# Altium PCB CM4-Main.PcbDoc
Units mil, origin at the board's own origin, x right, y up, seen from the top; angles counter-clockwise.
Board outline 2204.72 x 3346.46 mil, 6 copper layers (Top, GND1, Power, Signal, GND2, Bottom), stack 60.827 mil thick; 64 components, 145 nets, 578 pads, 2 vias.
Unrouted connection lines stored in the file: 306.
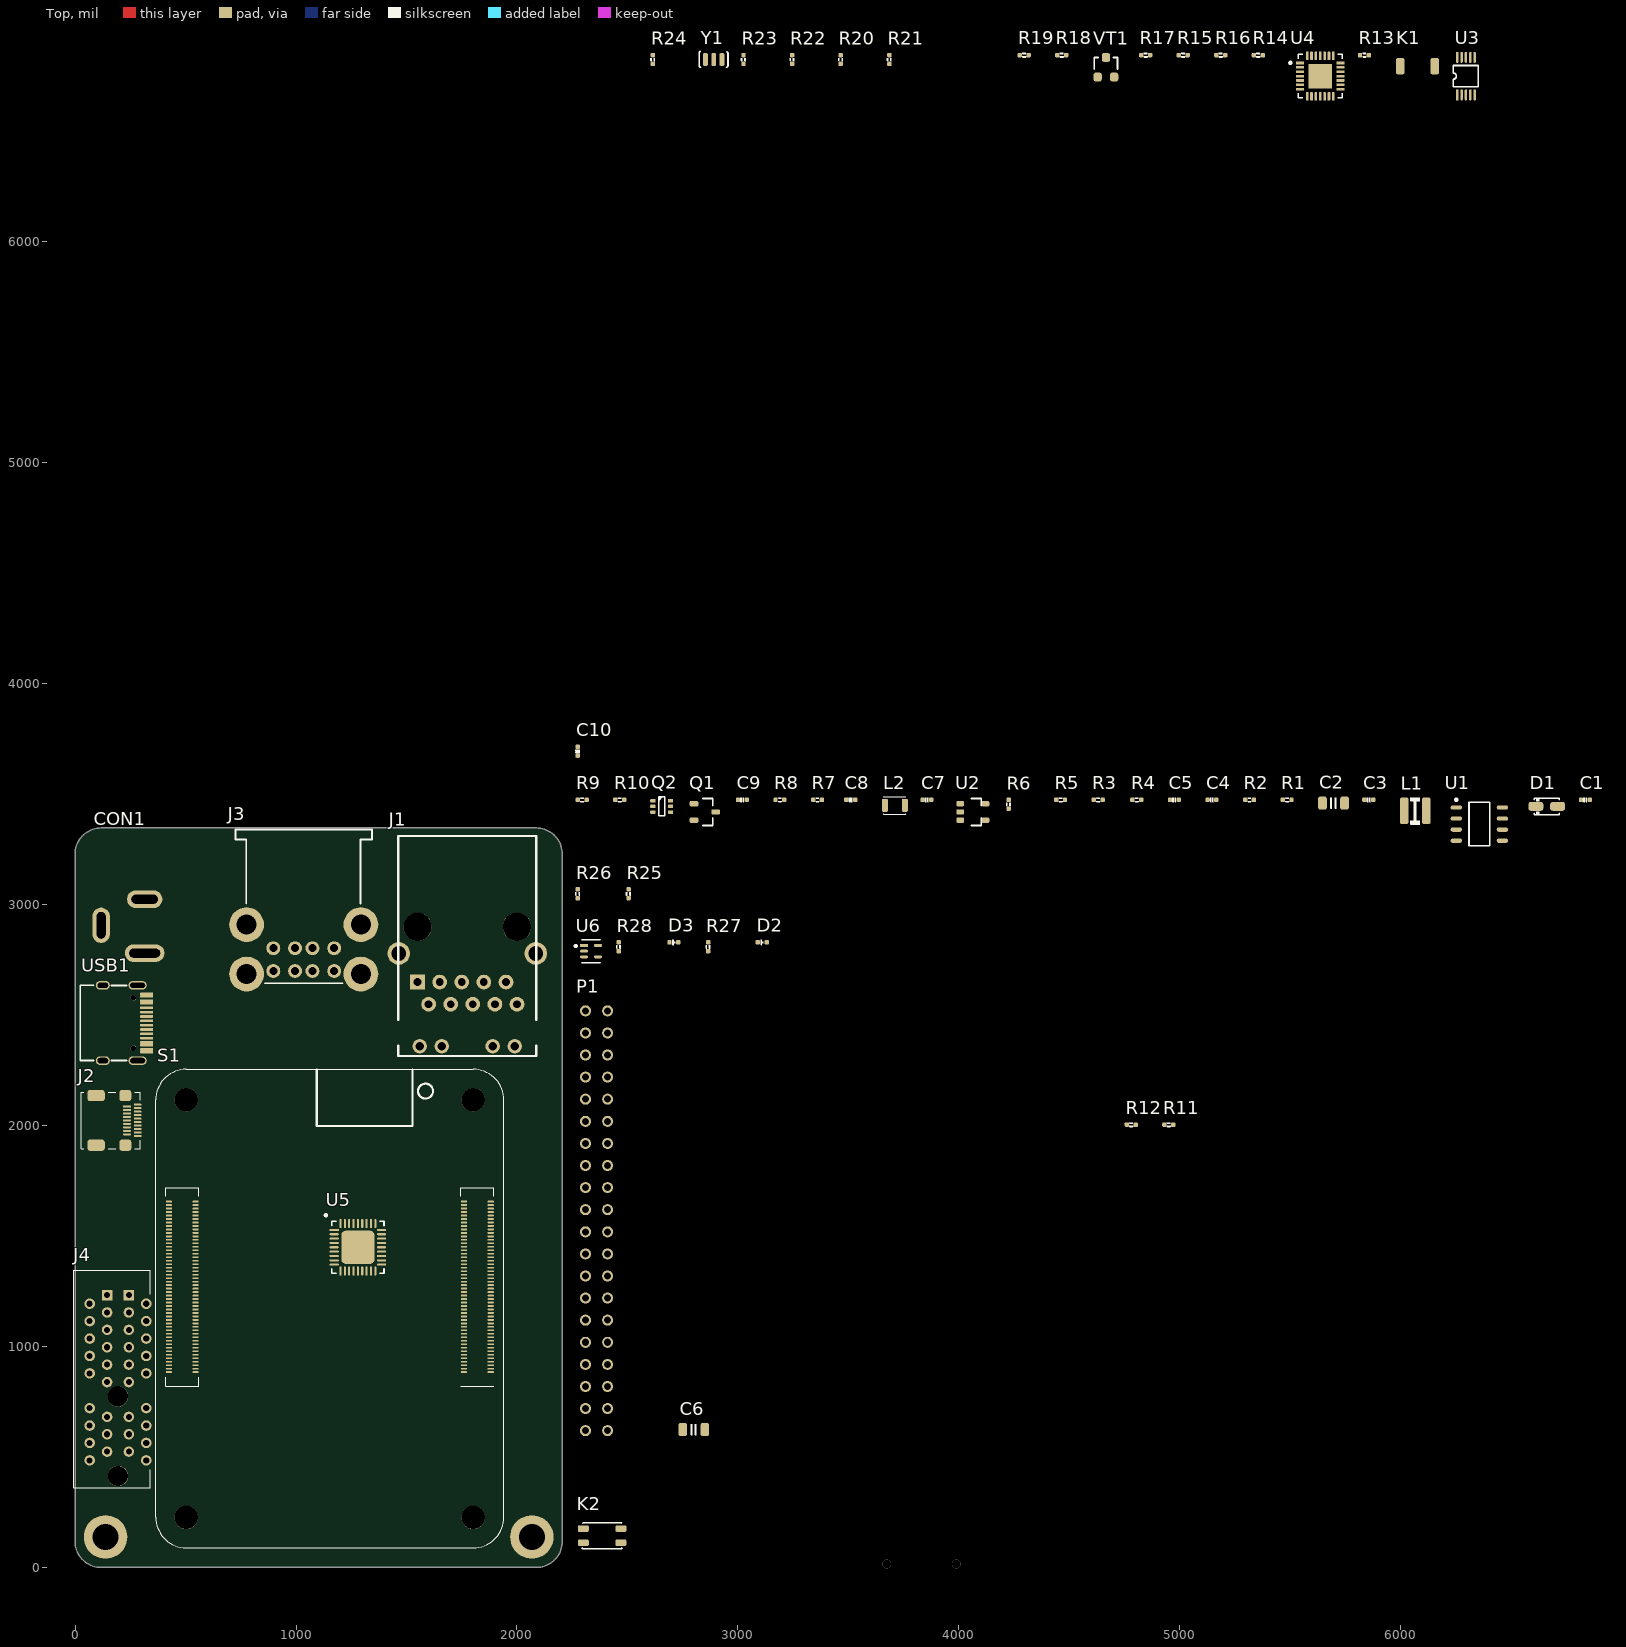
[diagram p0: Top view]
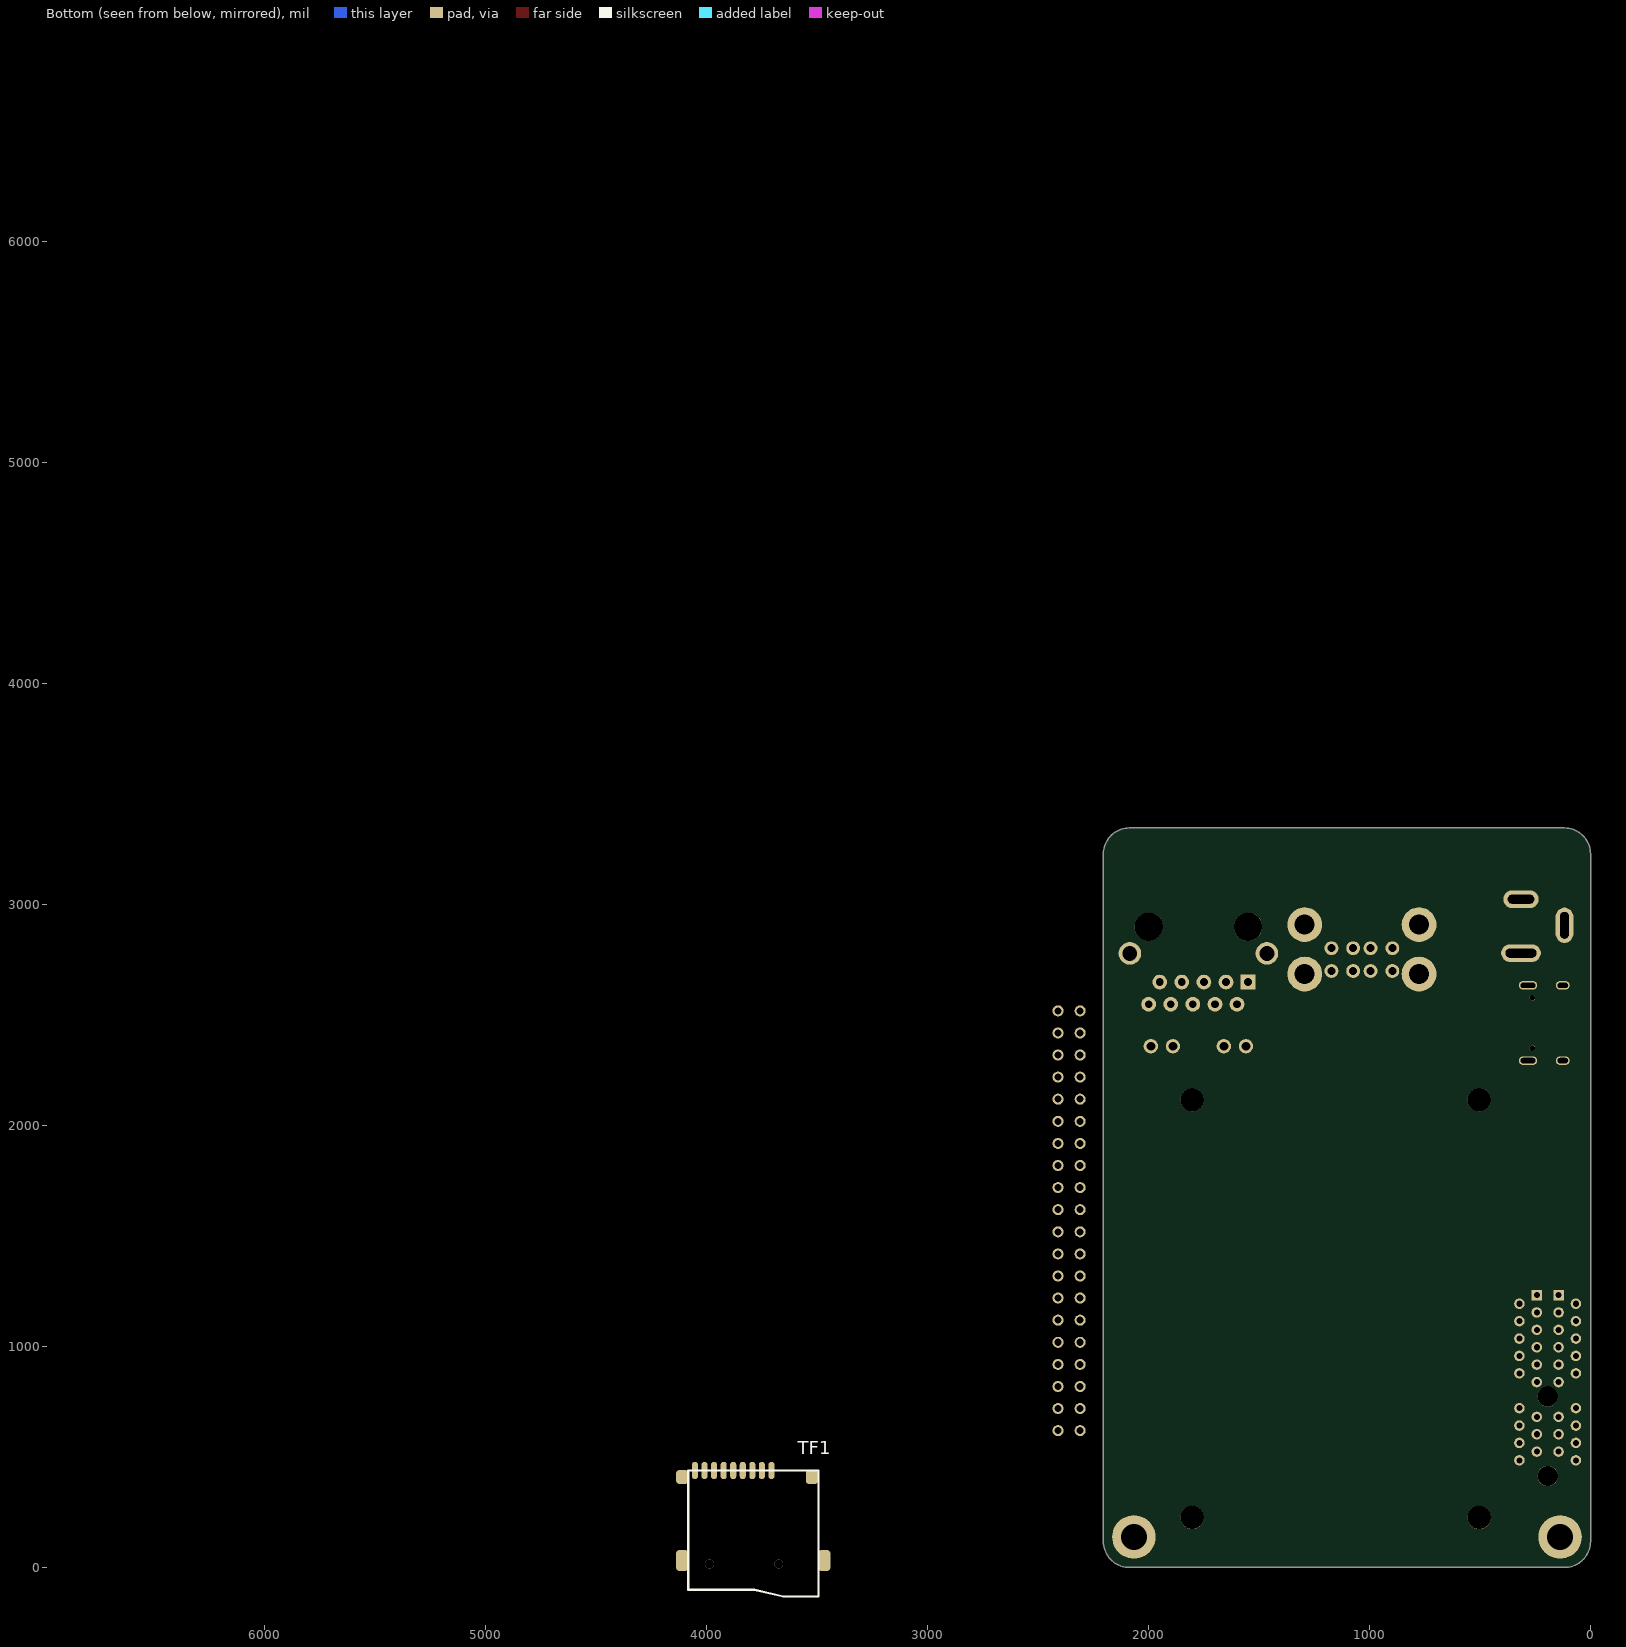
[diagram p1: Bottom view, seen from below]
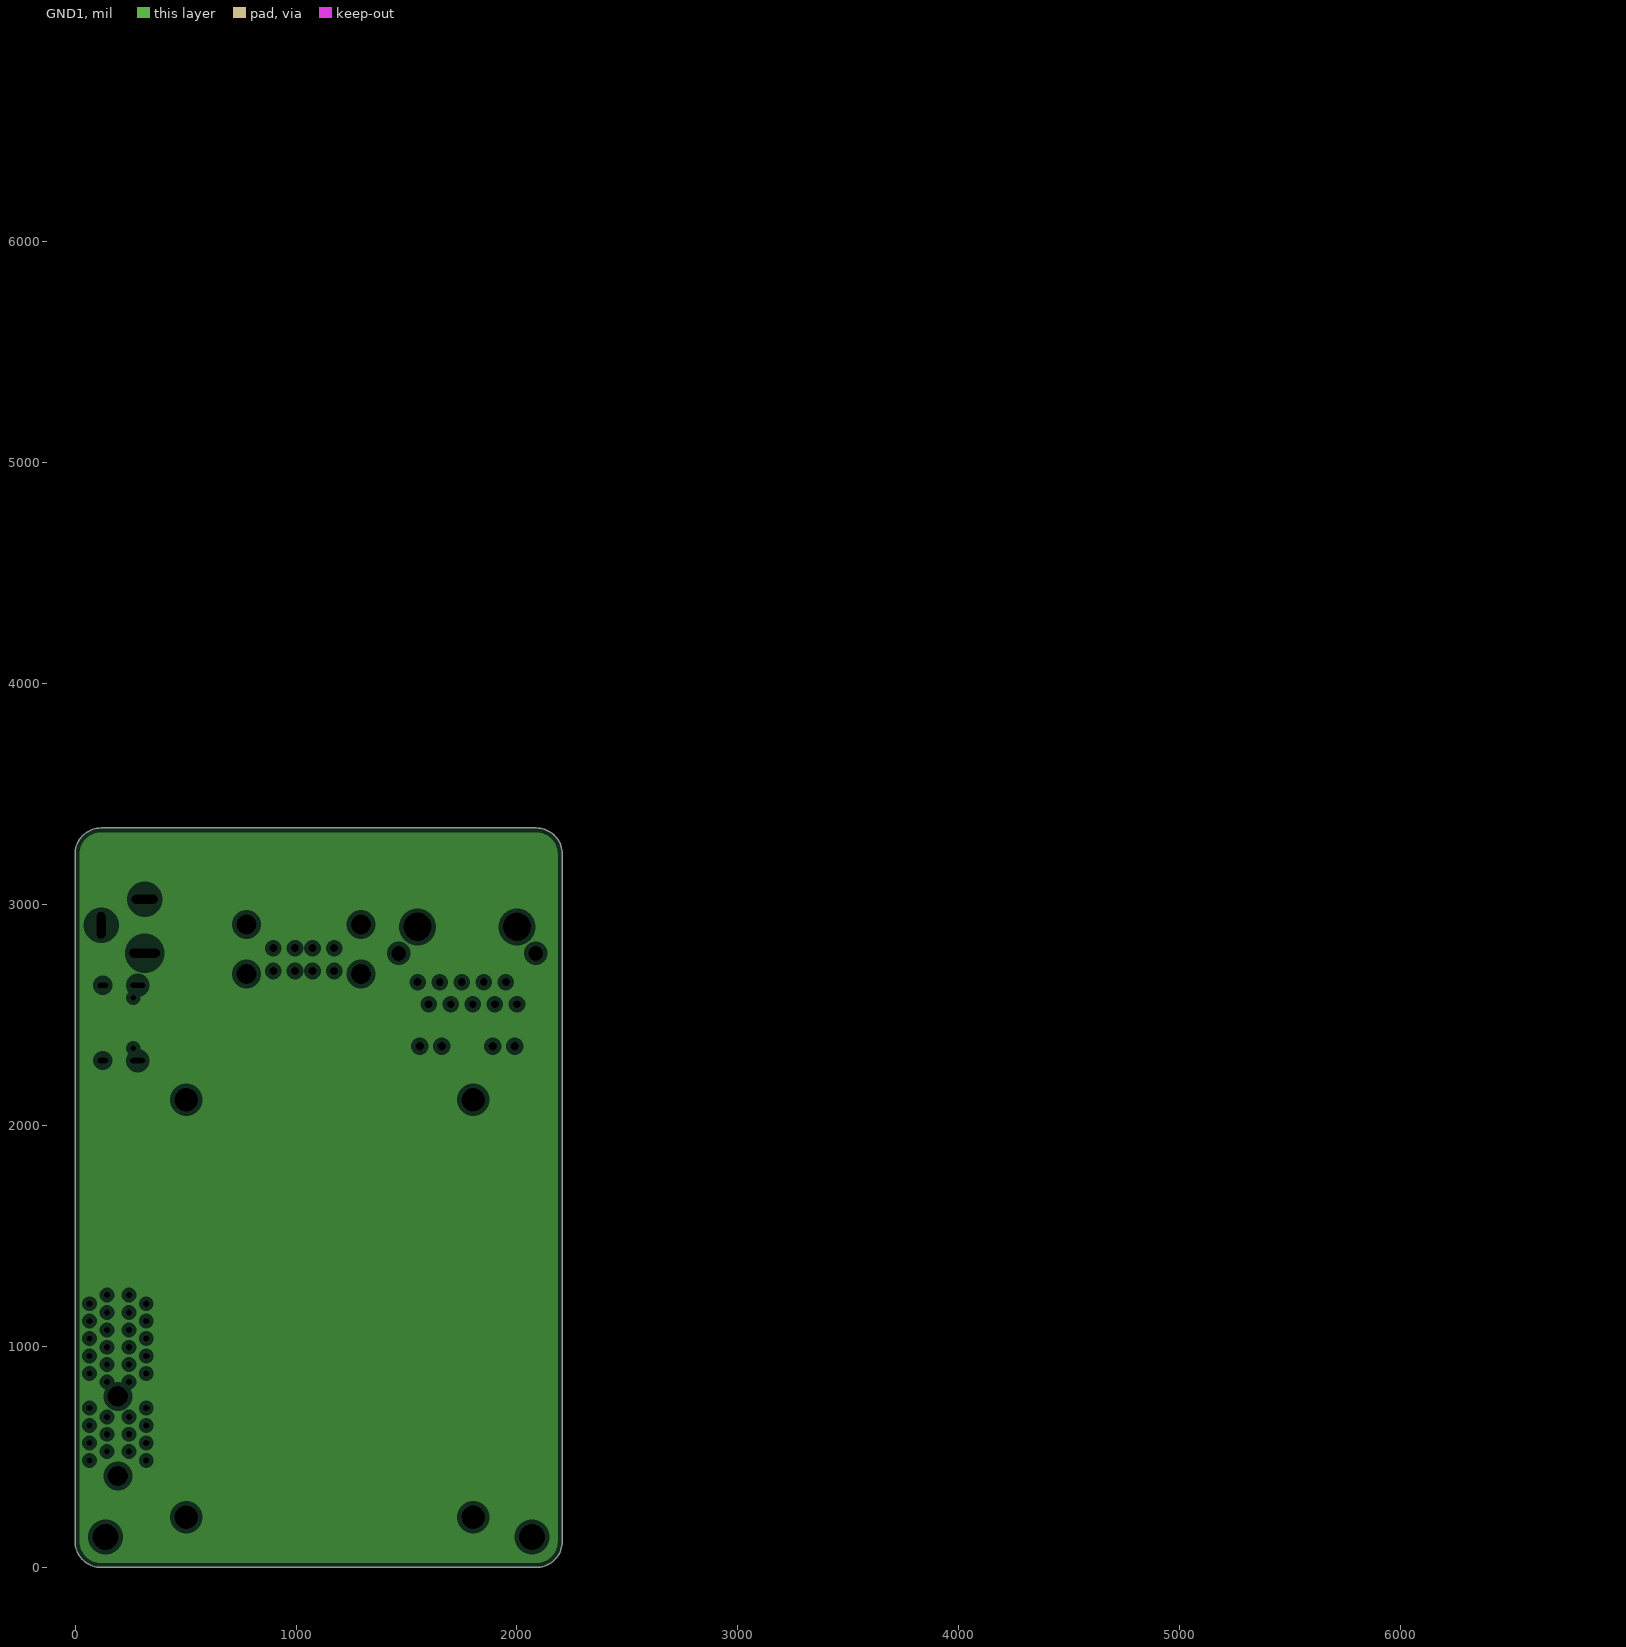
[diagram p2: GND1, clearances drawn from the general rule]
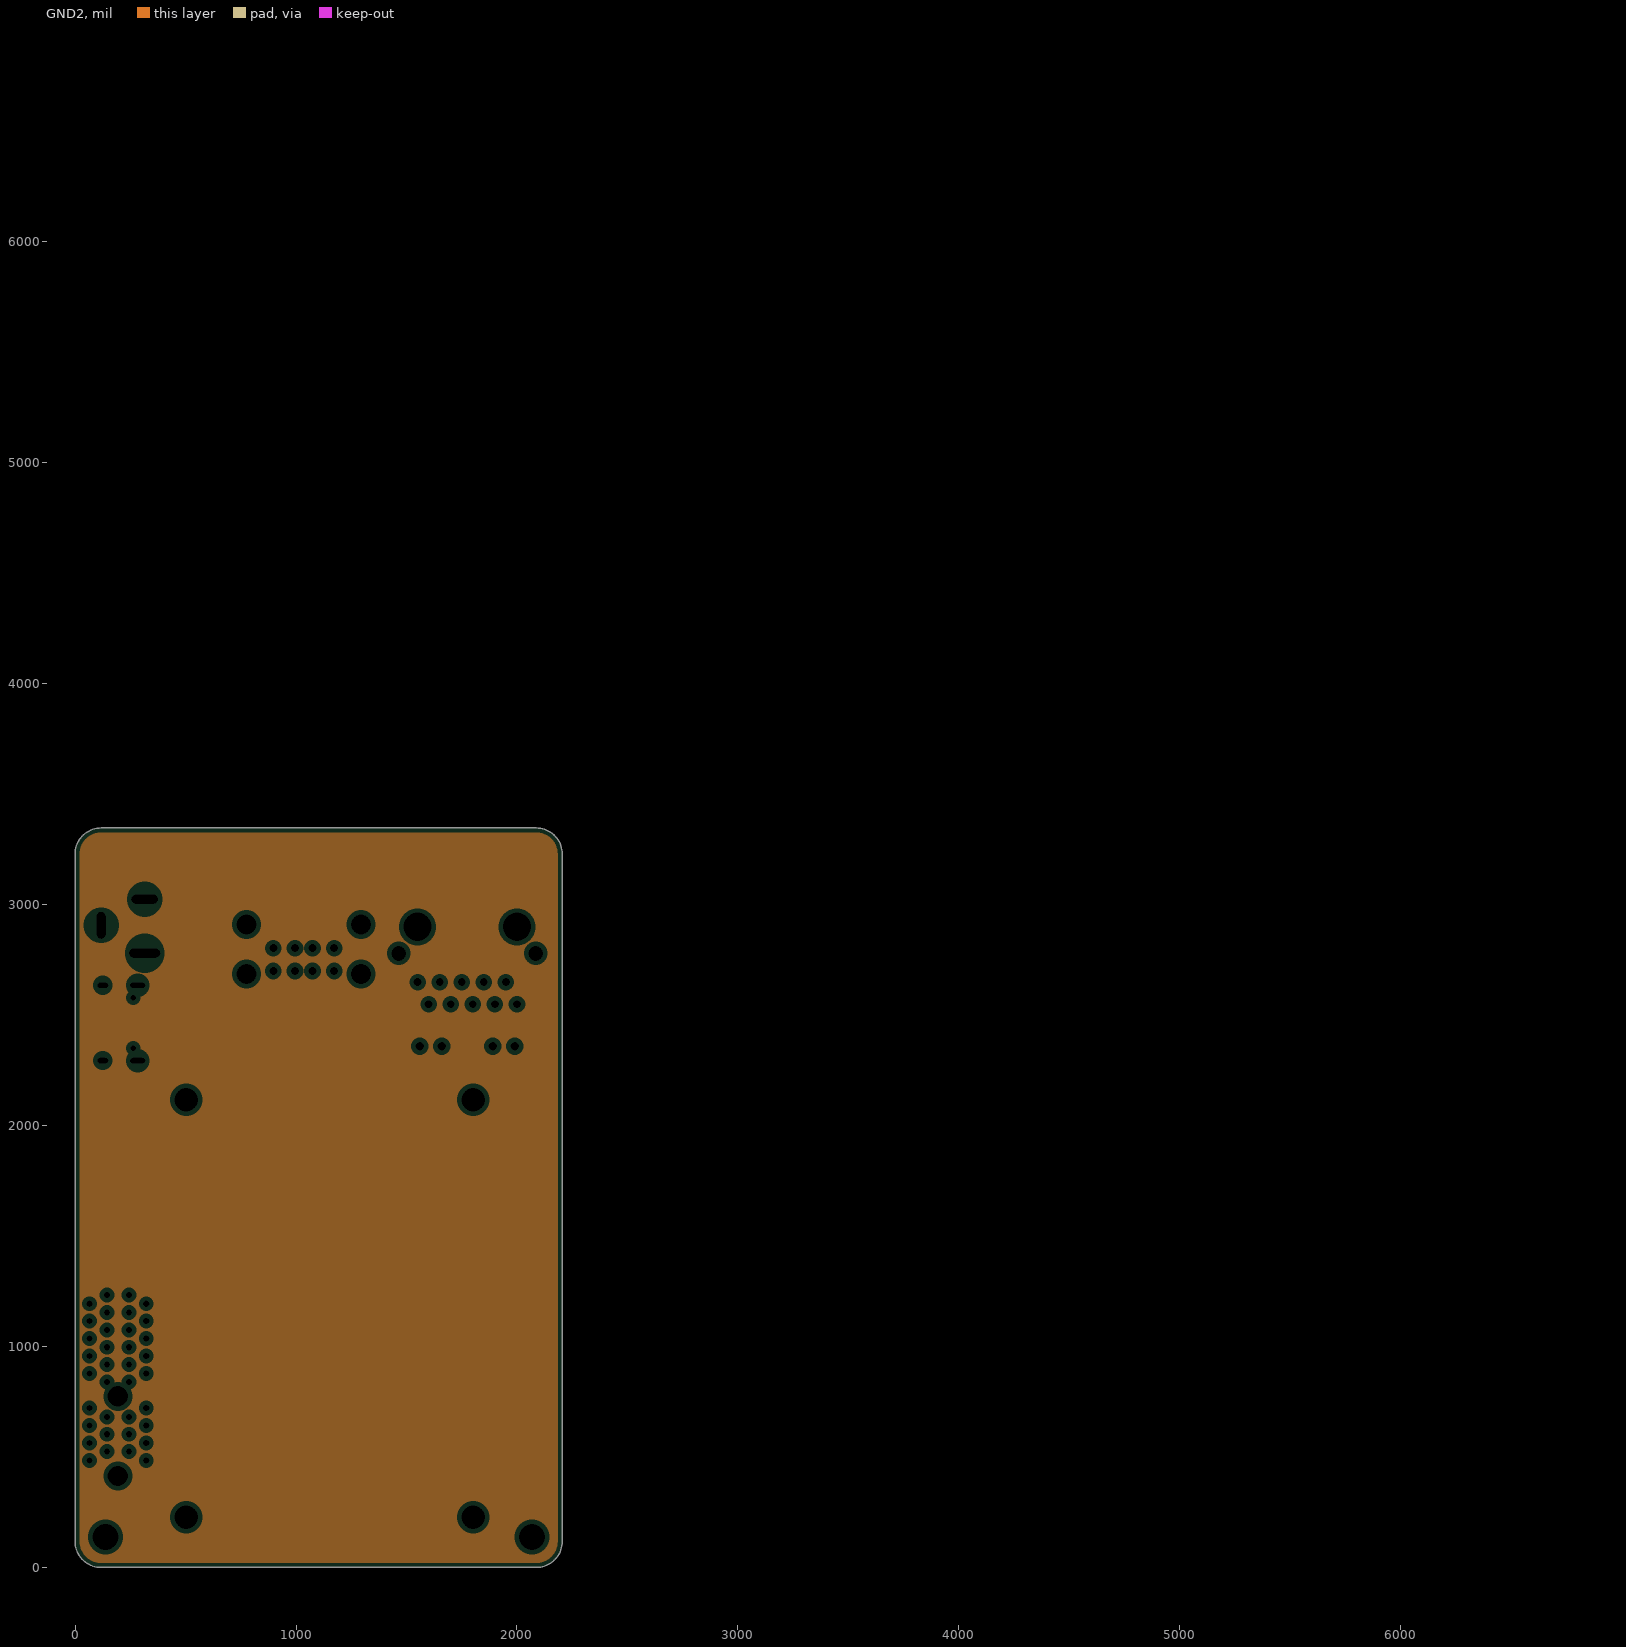
[diagram p3: GND2, clearances drawn from the general rule]

## Layer stack, top to bottom
Top Solder: solder mask 1, SM-001, Dk 4
Top: signal copper 2.7559
7628_PP1: prepreg 8.4646, PP-S1000H, Dk 4.58
GND1: plane copper 2.7559
2x2116_Core1: core 9.4488, Core-S1000H, Dk 4.48
Power: signal copper 2.7559
7628_PP2: prepreg 8.4646, PP-S1000H, Dk 4.58
Signal: signal copper 2.7559
2x2116_Core2: core 9.4488, Core-S1000H, Dk 4.48
GND2: plane copper 2.7559
7628_PP3: prepreg 8.4646, PP-S1000H, Dk 4.58
Bottom: signal copper 2.7559
Bottom Solder: solder mask 1, SM-001, Dk 4

## Board outline
0.16,119.24 ccw(c118.27,119.24) 118.27,1.13 2086.77,1.13 ccw(c2086.77,119.24) 2204.88,119.24 2204.88,3229.47 ccw(c2086.77,3229.47) 2086.77,3347.58 118.27,3347.58 ccw(c118.27,3229.47) 0.16,3229.47

## Design rules (kind name [scope] priority, off if disabled: settings)
Clearance [All] p1: gap=4 ignorepadtopadclearanceinfootprint=FALSE
DiffPairsRouting [All] p1: maxlimit=10 minlimit=10 mostfreqgap=10 toplayer_minwidth=15 toplayer_maxwidth=15 toplayer_prefwidth=15 midlayer1_minwidth=15 midlayer1_maxwidth=15 midlayer1_prefwidth=15 midlayer2_minwidth=15 midlayer2_maxwidth=15 midlayer2_prefwidth=15 bottomlayer_minwidth=15 bottomlayer_maxwidth=15 bottomlayer_prefwidth=15 maxuncoupledlength=500
PlaneClearance [All] p1: clearance=20
PlaneConnect [All] p1: planeconnectstyle=Relief reliefexpansion=20 reliefentries=4 reliefconductorwidth=10 reliefairgap=10
PolygonConnect [All] p1: connectstyle=Relief reliefconductorwidth=10 reliefentries=4 polygonreliefangle="90 Angle" airgapwidth=10
RoutingVias [All] p1: holewidth=28 width=50 viastyle="Through Hole" minholewidth=28 minwidth=50 maxholewidth=28 maxwidth=50
SolderMaskExpansion [All] p1: expansion=4 istentingtop=FALSE
Width [All] p1: maxlimit=100 minlimit=4 preferedwidth=4
27 further rules are at their usual default settings.
